# KiCad board main.kicad_pcb (continued)
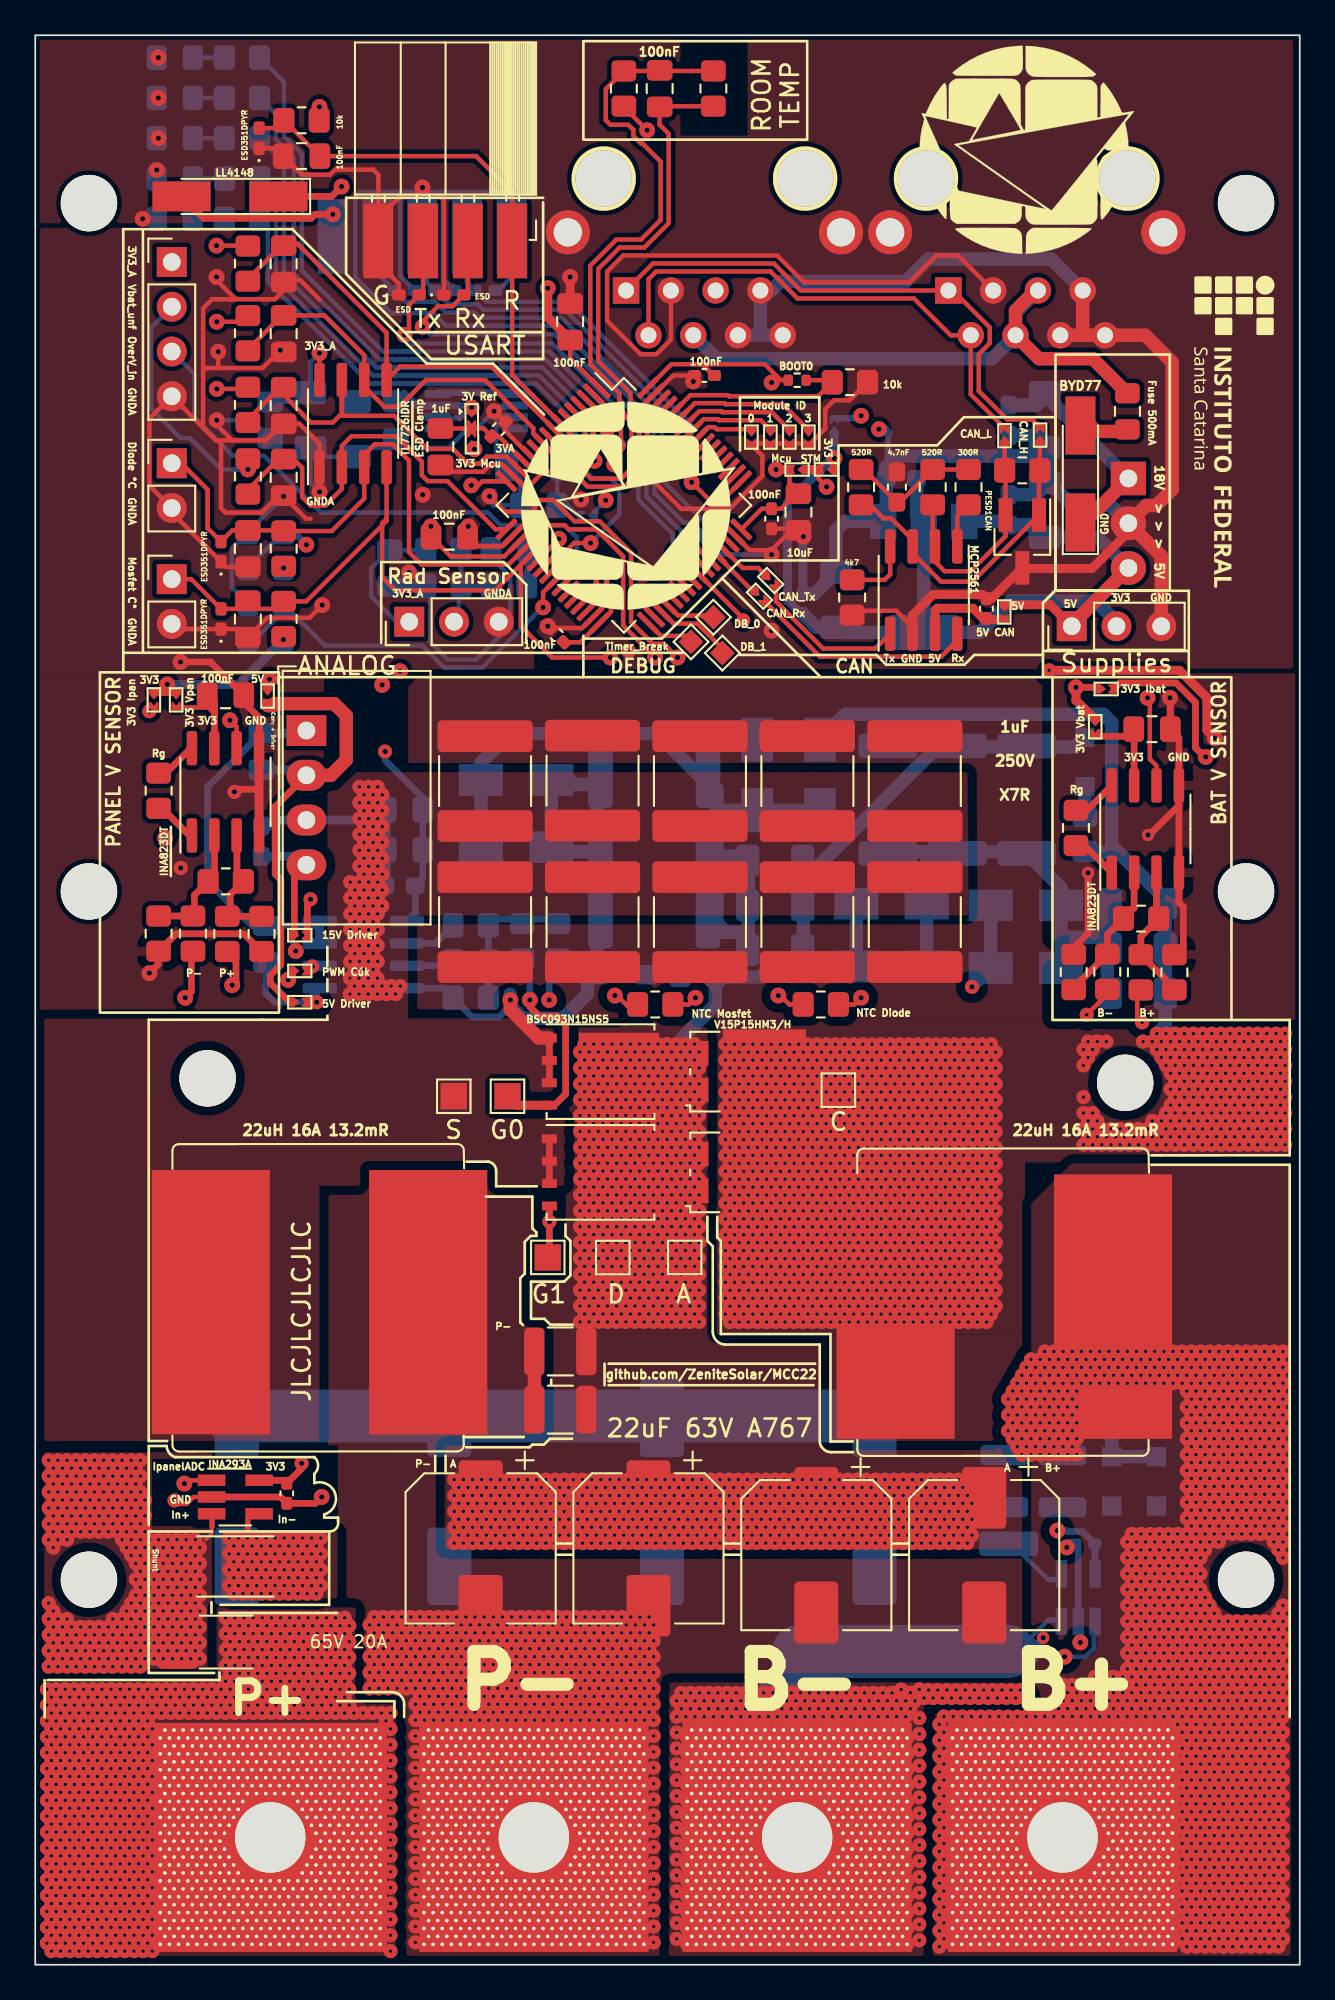
[diagram p0: board, top side]
## Routing (per net, layer and track width the routed paths; a pad name or vN(x,y) marks a point on that pad's centre or on a via; arc(x,y) is an arc through that point) (continued)
  vias: v2(39.16,52.22) v2(39.16,51.32) v2(39.16,50.42) v2(39.16,49.52) v2(39.16,48.62) v2(39.16,47.72) v2(39.16,46.82) v2(39.16,45.92) v2(39.16,45.02) v2(39.16,44.12) v2(39.16,43.22) v2(39.16,42.32) v2(39.16,41.42) v2(39.16,40.52) v2(39.16,39.62) v2(39.16,38.71) v2(39.16,37.81) v2(39.16,36.91) v2(39.42,51.77) v2(39.42,50.87) v2(39.42,49.97) v2(39.42,49.07) v2(39.42,48.17) v2(39.42,47.27) v2(39.42,46.37) v2(39.42,45.47) v2(39.42,44.57) v2(39.42,43.67) v2(39.42,42.77) v2(39.42,41.87) v2(39.42,40.97) v2(39.42,40.07) v2(39.42,39.16) v2(39.42,38.26) v2(39.42,37.36) v2(39.42,36.46) v2(39.68,52.22) v2(39.68,51.32) v2(39.68,50.42) v2(39.68,49.52) v2(39.68,48.62) v2(39.68,47.72) v2(39.68,46.82) v2(39.68,45.92) v2(39.68,45.02) v2(39.68,44.12) v2(39.68,43.22) v2(39.68,42.32) v2(39.68,41.42) v2(39.68,40.52) v2(39.68,39.62) v2(39.68,38.71) v2(39.68,37.81) v2(39.68,36.91) v2(39.94,51.77) v2(39.94,50.87) v2(39.94,49.97) v2(39.94,49.07) v2(39.94,48.17) v2(39.94,47.27) v2(39.94,46.37) v2(39.94,45.47) v2(39.94,44.57) v2(39.94,43.67) v2(39.94,42.77) v2(39.94,41.87) v2(39.94,40.97) v2(39.94,40.07) v2(39.94,39.16) v2(39.94,38.26) v2(39.94,37.36) v2(39.94,36.46) v2(40.2,52.22) v2(40.2,51.32) v2(40.2,50.42) v2(40.2,49.52) v2(40.2,48.62) v2(40.2,47.72) v2(40.2,46.82) v2(40.2,45.92) v2(40.2,45.02) v2(40.2,44.12) v2(40.2,43.22) v2(40.2,42.32) v2(40.2,41.42) v2(40.2,40.52) v2(40.2,39.62) v2(40.2,38.71) v2(40.2,37.81) v2(40.2,36.91) v2(40.46,51.77) v2(40.46,50.87) v2(40.46,49.97) v2(40.46,49.07) v2(40.46,48.17) v2(40.46,47.27) v2(40.46,46.37) v2(40.46,45.47) v2(40.46,44.57) v2(40.46,43.67) v2(40.46,42.77) v2(40.46,41.87) v2(40.46,40.97) v2(40.46,40.07) v2(40.46,39.16) v2(40.46,38.26) v2(40.46,37.36) v2(40.46,36.46) v2(40.72,52.22) v2(40.72,51.32) v2(40.72,50.42) v2(40.72,49.52) v2(40.72,48.62) v2(40.72,47.72) v2(40.72,46.82) v2(40.72,45.92) v2(40.72,45.02) v2(40.72,44.12) v2(40.72,43.22) v2(40.72,42.32) v2(40.72,41.42) v2(40.72,40.52) v2(40.72,39.62) v2(40.72,38.71) v2(40.72,37.81) v2(40.72,36.91) v2(40.98,51.77) v2(40.98,50.87) v2(40.98,49.97) v2(40.98,49.07) v2(40.98,48.17) v2(40.98,47.27) v2(40.98,46.37) v2(40.98,45.47) v2(40.98,44.57) v2(40.98,43.67) v2(40.98,42.77) v2(40.98,41.87) v2(40.98,40.97) v2(40.98,40.07) v2(40.98,39.16) v2(40.98,38.26) v2(40.98,37.36) v2(40.98,36.46) v2(41.24,52.22) v2(41.24,51.32) v2(41.24,50.42) v2(41.24,49.52) v2(41.24,48.62) v2(41.24,47.72) v2(41.24,46.82) v2(41.24,45.92) v2(41.24,45.02) v2(41.24,44.12) v2(41.24,43.22) v2(41.24,42.32) v2(41.24,41.42) v2(41.24,40.52) v2(41.24,39.62) v2(41.24,38.71) v2(41.24,37.81) v2(41.24,36.91) v2(41.5,51.77) v2(41.5,50.87) v2(41.5,49.97) v2(41.5,49.07) v2(41.5,48.17) v2(41.5,47.27) v2(41.5,46.37) v2(41.5,45.47) v2(41.5,44.57) v2(41.5,43.67) v2(41.5,42.77) v2(41.5,41.87) v2(41.5,40.97) v2(41.5,40.07) v2(41.5,39.16) v2(41.5,38.26) v2(41.5,37.36) v2(41.5,36.46) v2(41.76,52.22) v2(41.76,51.32) v2(41.76,50.42) v2(41.76,49.52) v2(41.76,48.62) v2(41.76,47.72) v2(41.76,46.82) v2(41.76,45.92) v2(41.76,45.02) v2(41.76,44.12) v2(41.76,43.22) v2(41.76,42.32) v2(41.76,41.42) v2(41.76,40.52) v2(41.76,39.62) v2(41.76,38.71) v2(41.76,37.81) v2(41.76,36.91) v2(42.02,51.77) v2(42.02,50.87) v2(42.02,49.97) v2(42.02,49.07) v2(42.02,48.17) v2(42.02,47.27) v2(42.02,46.37) v2(42.02,45.47) v2(42.02,44.57) v2(42.02,43.67) v2(42.02,42.77) v2(42.02,41.87) v2(42.02,40.97) v2(42.02,40.07) v2(42.02,39.16) v2(42.02,38.26) v2(42.02,37.36) v2(42.02,36.46) v2(42.28,52.22) v2(42.28,51.32) v2(42.28,50.42) v2(42.28,49.52) v2(42.28,48.62) v2(42.28,47.72) v2(42.28,46.82) v2(42.28,45.92) v2(42.28,45.02) v2(42.28,44.12) v2(42.28,43.22) v2(42.28,42.32) v2(42.28,41.42) v2(42.28,40.52) v2(42.28,39.62) v2(42.28,38.71) v2(42.28,37.81) v2(42.28,36.91) v2(42.54,51.77) v2(42.54,50.87) v2(42.54,49.97) v2(42.54,49.07) v2(42.54,48.17) v2(42.54,47.27) v2(42.54,46.37) v2(42.54,45.47) v2(42.54,44.57) v2(42.54,43.67) v2(42.54,42.77) v2(42.54,41.87) v2(42.54,40.97) v2(42.54,40.07) v2(42.54,39.16) v2(42.54,38.26) v2(42.54,37.36) v2(42.54,36.46) v2(42.8,52.22) v2(42.8,51.32) v2(42.8,50.42) v2(42.8,49.52) v2(42.8,48.62) v2(42.8,47.72) v2(42.8,46.82) v2(42.8,45.92) v2(42.8,45.02) v2(42.8,44.12) v2(42.8,43.22) v2(42.8,42.32) v2(42.8,41.42) v2(42.8,40.52) v2(42.8,39.62) v2(42.8,38.71) v2(42.8,37.81) v2(42.8,36.91) v2(43.06,51.77) v2(43.06,50.87) v2(43.06,49.97) v2(43.06,49.07) v2(43.06,48.17) v2(43.06,47.27) v2(43.06,46.37) v2(43.06,45.47) v2(43.06,44.57) v2(43.06,43.67) v2(43.06,42.77) v2(43.06,41.87) v2(43.06,40.97) v2(43.06,40.07) v2(43.06,39.16) v2(43.06,38.26) v2(43.06,37.36) v2(43.06,36.46) v2(43.32,52.22) v2(43.32,51.32) v2(43.32,50.42) v2(43.32,49.52) v2(43.32,48.62) v2(43.32,47.72) v2(43.32,46.82) v2(43.32,45.92) v2(43.32,45.02) v2(43.32,44.12) v2(43.32,43.22) v2(43.32,42.32) v2(43.32,41.42) v2(43.32,40.52) v2(43.32,39.62) v2(43.32,38.71) v2(43.32,37.81) v2(43.32,36.91) v2(43.58,51.77) v2(43.58,50.87) v2(43.58,49.97) v2(43.58,49.07) v2(43.58,48.17) v2(43.58,47.27) v2(43.58,46.37) v2(43.58,45.47) v2(43.58,44.57) v2(43.58,43.67) v2(43.58,42.77) v2(43.58,41.87) v2(43.58,40.97) v2(43.58,40.07) v2(43.58,39.16) v2(43.58,38.26) v2(43.58,37.36) v2(43.58,36.46) v2(43.84,52.22) v2(43.84,51.32) v2(43.84,50.42) v2(43.84,49.52) v2(43.84,48.62) v2(43.84,47.72) v2(43.84,46.82) v2(43.84,45.92) v2(43.84,45.02) v2(43.84,44.12) v2(43.84,43.22) v2(43.84,42.32) v2(43.84,41.42) v2(43.84,40.52) v2(43.84,39.62) v2(43.84,38.71) v2(43.84,37.81) v2(43.84,36.91) v2(44.1,51.77) v2(44.1,50.87) v2(44.1,49.97) v2(44.1,49.07) v2(44.1,48.17) v2(44.1,47.27) v2(44.1,46.37) v2(44.1,45.47) v2(44.1,44.57) v2(44.1,43.67) v2(44.1,42.77) v2(44.1,41.87) v2(44.1,40.97) v2(44.1,40.07) v2(44.1,39.16) v2(44.1,38.26) v2(44.1,37.36) v2(44.1,36.46) v2(44.36,52.22) v2(44.36,51.32) v2(44.36,50.42) v2(44.36,49.52) v2(44.36,48.62) v2(44.36,47.72) v2(44.36,46.82) v2(44.36,45.92) v2(44.36,45.02) v2(44.36,44.12) v2(44.36,43.22) v2(44.36,42.32) v2(44.36,41.42) v2(44.36,40.52) v2(44.36,39.62) v2(44.36,38.71) v2(44.36,37.81) v2(44.36,36.91) v2(44.62,51.77) v2(44.62,50.87) v2(44.62,49.97) v2(44.62,49.07) v2(44.62,48.17) v2(44.62,47.27) v2(44.62,46.37) v2(44.62,45.47) v2(44.62,44.57) v2(44.62,43.67) v2(44.62,42.77) v2(44.62,41.87) v2(44.62,40.97) v2(44.62,40.07) v2(44.62,39.16) v2(44.62,38.26) v2(44.62,37.36) v2(44.62,36.46) v2(44.88,52.22) v2(44.88,51.32) v2(44.88,50.42) v2(44.88,49.52) v2(44.88,48.62) v2(44.88,47.72) v2(44.88,46.82) v2(44.88,45.92) v2(44.88,45.02) v2(44.88,44.12) v2(44.88,43.22) v2(44.88,42.32) v2(44.88,41.42) v2(44.88,40.52) v2(44.88,39.62) v2(44.88,38.71) v2(44.88,37.81) v2(44.88,36.91) v2(45.14,51.77) v2(45.14,50.87) v2(45.14,49.97) v2(45.14,49.07) v2(45.14,48.17) v2(45.14,47.27) v2(45.14,46.37) v2(45.14,45.47) v2(45.14,44.57) v2(45.14,43.67) v2(45.14,42.77) v2(45.14,41.87) v2(45.14,40.97) v2(45.14,40.07) v2(45.14,39.16) v2(45.14,38.26) v2(45.14,37.36) v2(45.14,36.46) v2(45.4,52.22) v2(45.4,51.32) v2(45.4,50.42) v2(45.4,49.52) v2(45.4,48.62) v2(45.4,47.72) v2(45.4,46.82) v2(45.4,45.92) v2(45.4,45.02) v2(45.4,44.12) v2(45.4,43.22) v2(45.4,42.32) v2(45.4,41.42) v2(45.4,40.52) v2(45.4,39.62) v2(45.4,38.71) v2(45.4,37.81) v2(45.4,36.91) v2(45.66,51.77) v2(45.66,50.87) v2(45.66,49.97) v2(45.66,49.07) v2(45.66,48.17) v2(45.66,47.27) v2(45.66,46.37) v2(45.66,45.47) v2(45.66,44.57) v2(45.66,43.67) v2(45.66,42.77) v2(45.66,41.87) v2(45.66,40.97) v2(45.66,40.07) v2(45.66,39.16) v2(45.66,38.26) v2(45.66,37.36) v2(45.66,36.46) v2(45.92,52.22) v2(45.92,51.32) v2(45.92,50.42) v2(45.92,49.52) v2(45.92,48.62) v2(45.92,47.72) v2(45.92,46.82) v2(45.92,45.92) v2(45.92,45.02) v2(45.92,44.12) v2(45.92,43.22) v2(45.92,42.32) v2(45.92,41.42) v2(45.92,40.52) v2(45.92,39.62) v2(45.92,38.71) v2(45.92,37.81) v2(45.92,36.91) v2(46.18,51.77) v2(46.18,50.87) v2(46.18,49.97) v2(46.18,49.07) v2(46.18,48.17) v2(46.18,47.27) v2(46.18,46.37) v2(46.18,45.47) v2(46.18,44.57) v2(46.18,43.67) v2(46.18,42.77) v2(46.18,41.87) v2(46.18,40.97) v2(46.18,40.07) v2(46.18,39.16) v2(46.18,38.26) v2(46.18,37.36) v2(46.18,36.46) v2(46.44,52.22) v2(46.44,51.32) v2(46.44,50.42) v2(46.44,49.52) v2(46.44,48.62) v2(46.44,47.72) v2(46.44,46.82) v2(46.44,45.92) v2(46.44,45.02) v2(46.44,44.12) v2(46.44,43.22) v2(46.44,42.32) v2(46.44,41.42) v2(46.44,40.52) v2(46.44,39.62) v2(46.44,38.71) v2(46.44,37.81) v2(46.44,36.91) v2(46.7,51.77) v2(46.7,50.87) v2(46.7,49.97) v2(46.7,49.07) v2(46.7,48.17) v2(46.7,47.27) v2(46.7,46.37) v2(46.7,45.47) v2(46.7,44.57) v2(46.7,43.67) v2(46.7,42.77) v2(46.7,41.87) v2(46.7,40.97) v2(46.7,40.07) v2(46.7,39.16) v2(46.7,38.26) v2(46.7,37.36) v2(46.7,36.46) v2(46.96,52.22) v2(46.96,51.32) v2(46.96,50.42) v2(46.96,49.52) v2(46.96,48.62) v2(46.96,47.72) v2(46.96,46.82) v2(46.96,45.92) v2(46.96,45.02) v2(46.96,44.12) v2(46.96,43.22) v2(46.96,42.32) v2(46.96,41.42) v2(46.96,40.52) v2(46.96,39.62) v2(46.96,38.71) v2(46.96,37.81) v2(46.96,36.91) v2(47.22,51.77) v2(47.22,50.87) v2(47.22,49.97) v2(47.22,49.07) v2(47.22,48.17) v2(47.22,47.27) v2(47.22,46.37) v2(47.22,45.47) v2(47.22,44.57) v2(47.22,43.67) v2(47.22,42.77) v2(47.22,41.87) v2(47.22,40.97) v2(47.22,40.07) v2(47.22,39.16) v2(47.22,38.26) v2(47.22,37.36) v2(47.22,36.46) v2(47.48,52.22) v2(47.48,51.32) v2(47.48,50.42) v2(47.48,49.52) v2(47.48,48.62) v2(47.48,47.72) v2(47.48,46.82) v2(47.48,45.92) v2(47.48,45.02) v2(47.48,44.12) v2(47.48,43.22) v2(47.48,42.32) v2(47.48,41.42) v2(47.48,40.52) v2(47.48,39.62) v2(47.48,38.71) v2(47.48,37.81) v2(47.48,36.91) v2(47.74,51.77) v2(47.74,50.87) v2(47.74,49.97) v2(47.74,49.07) v2(47.74,48.17) v2(47.74,47.27) v2(47.74,46.37) v2(47.74,45.47) v2(47.74,44.57) v2(47.74,43.67) v2(47.74,42.77) v2(47.74,41.87) v2(47.74,40.97) v2(47.74,40.07) v2(47.74,39.16) v2(47.74,38.26) v2(47.74,37.36) v2(47.74,36.46) v2(48,52.22) v2(48,51.32) v2(48,50.42) v2(48,49.52) v2(48,48.62) v2(48,47.72) v2(48,46.82) v2(48,45.92) v2(48,45.02) v2(48,44.12) v2(48,43.22) v2(48,42.32) v2(48,41.42) v2(48,40.52) v2(48,39.62) v2(48,38.71) v2(48,37.81) v2(48,36.91) v2(48.26,51.77) v2(48.26,50.87) v2(48.26,49.97) v2(48.26,49.07) v2(48.26,48.17) v2(48.26,47.27) v2(48.26,46.37) v2(48.26,45.47) v2(48.26,44.57) v2(48.26,43.67) v2(48.26,42.77) v2(48.26,41.87) v2(48.26,40.97) v2(48.26,40.07) v2(48.26,39.16) v2(48.26,38.26) v2(48.26,37.36) v2(48.26,36.46) v2(48.52,52.22) v2(48.52,51.32) v2(48.52,50.42) v2(48.52,49.52) v2(48.52,48.62) v2(48.52,47.72) v2(48.52,46.82) v2(48.52,45.92) v2(48.52,45.02) v2(48.52,44.12) v2(48.52,43.22) v2(48.52,42.32) v2(48.52,41.42) v2(48.52,40.52) v2(48.52,39.62) v2(48.52,38.71) v2(48.52,37.81) v2(48.52,36.91) v2(48.78,51.77) v2(48.78,50.87) v2(48.78,49.97) v2(48.78,49.07) v2(48.78,48.17) v2(48.78,47.27) v2(48.78,46.37) v2(48.78,45.47) v2(48.78,44.57) v2(48.78,43.67) v2(48.78,42.77) v2(48.78,41.87) v2(48.78,40.97) v2(48.78,40.07) v2(48.78,39.16) v2(48.78,38.26) v2(48.78,37.36) v2(48.78,36.46) v2(49.04,52.22) v2(49.04,51.32) v2(49.04,50.42) v2(49.04,49.52) v2(49.04,48.62) v2(49.04,47.72) v2(49.04,46.82) v2(49.04,45.92) v2(49.04,45.02) v2(49.04,44.12) v2(49.04,43.22) v2(49.04,42.32) v2(49.04,41.42) v2(49.04,40.52) v2(49.04,39.62) v2(49.04,38.71) v2(49.04,37.81) v2(49.04,36.91) v2(49.3,51.77) v2(49.3,50.87) v2(49.3,49.97) v2(49.3,49.07) v2(49.3,48.17) v2(49.3,47.27) v2(49.3,46.37) v2(49.3,45.47) v2(49.3,44.57) v2(49.3,43.67) v2(49.3,42.77) v2(49.3,41.87) v2(49.3,40.97) v2(49.3,40.07) v2(49.3,39.16) v2(49.3,38.26) v2(49.3,37.36) v2(49.3,36.46) v2(49.56,52.22) v2(49.56,51.32) v2(49.56,50.42) v2(49.56,49.52) v2(49.56,48.62) v2(49.56,47.72) v2(49.56,46.82) v2(49.56,45.92) v2(49.56,45.02) v2(49.56,44.12) v2(49.56,43.22) v2(49.56,42.32) v2(49.56,41.42) v2(49.56,40.52) v2(49.56,39.62) v2(49.56,38.71) v2(49.56,37.81) v2(49.56,36.91) v2(49.82,51.77) v2(49.82,50.87) v2(49.82,49.97) v2(49.82,49.07) v2(49.82,48.17) v2(49.82,47.27) v2(49.82,46.37) v2(49.82,45.47) v2(49.82,44.57) v2(49.82,43.67) v2(49.82,42.77) v2(49.82,41.87) v2(49.82,40.97) v2(49.82,40.07) v2(49.82,39.16) v2(49.82,38.26) v2(49.82,37.36) v2(49.82,36.46) v2(50.08,52.22) v2(50.08,51.32) v2(50.08,50.42) v2(50.08,49.52) v2(50.08,48.62) v2(50.08,47.72) v2(50.08,46.82) v2(50.08,45.92) v2(50.08,45.02) v2(50.08,44.12) v2(50.08,43.22) v2(50.08,42.32) v2(50.08,41.42) v2(50.08,40.52) v2(50.08,39.62) v2(50.08,38.71) v2(50.08,37.81) v2(50.08,36.91) v2(50.34,51.77) v2(50.34,50.87) v2(50.34,49.97) v2(50.34,49.07) v2(50.34,48.17) v2(50.34,47.27) v2(50.34,46.37) v2(50.34,45.47) v2(50.34,44.57) v2(50.34,43.67) v2(50.34,42.77) v2(50.34,41.87) v2(50.34,40.97) v2(50.34,40.07) v2(50.34,39.16) v2(50.34,38.26) v2(50.34,37.36) v2(50.34,36.46) v2(50.6,52.22) v2(50.6,51.32) v2(50.6,50.42) v2(50.6,49.52) v2(50.6,48.62) v2(50.6,47.72) v2(50.6,46.82) v2(50.6,45.92) v2(50.6,45.02) v2(50.6,44.12) v2(50.6,43.22) v2(50.6,42.32) v2(50.6,41.42) v2(50.6,40.52) v2(50.6,39.62) v2(50.6,38.71) v2(50.6,37.81) v2(50.6,36.91) v2(50.86,51.77) v2(50.86,50.87) v2(50.86,49.97) v2(50.86,49.07) v2(50.86,48.17) v2(50.86,47.27) v2(50.86,46.37) v2(50.86,45.47) v2(50.86,44.57) v2(50.86,43.67) v2(50.86,42.77) v2(50.86,41.87) v2(50.86,40.97) v2(50.86,40.07) v2(50.86,39.16) v2(50.86,38.26) v2(50.86,37.36) v2(50.86,36.46) v2(51.12,52.22) v2(51.12,51.32) v2(51.12,50.42) v2(51.12,49.52) v2(51.12,48.62) v2(51.12,47.72) v2(51.12,46.82) v2(51.12,45.92) v2(51.12,45.02) v2(51.12,44.12) v2(51.12,43.22) v2(51.12,42.32) v2(51.12,41.42) v2(51.12,40.52) v2(51.12,39.62) v2(51.12,38.71) v2(51.12,37.81) v2(51.12,36.91) v2(51.38,51.77) v2(51.38,50.87) v2(51.38,49.97) v2(51.38,49.07) v2(51.38,48.17) v2(51.38,47.27) v2(51.38,46.37) v2(51.38,45.47) v2(51.38,44.57) v2(51.38,43.67) v2(51.38,42.77) v2(51.38,41.87) v2(51.38,40.97) v2(51.38,40.07) v2(51.38,39.16) v2(51.38,38.26) v2(51.38,37.36) v2(51.38,36.46) v2(51.64,52.22) v2(51.64,51.32) v2(51.64,50.42) v2(51.64,49.52) v2(51.64,48.62) v2(51.64,47.72) v2(51.64,46.82) v2(51.64,45.92) v2(51.64,45.02) v2(51.64,44.12) v2(51.64,43.22) v2(51.64,42.32) v2(51.64,41.42) v2(51.64,40.52) v2(51.64,39.62) v2(51.64,38.71) v2(51.64,37.81) v2(51.64,36.91) v2(51.9,51.77) v2(51.9,50.87) v2(51.9,49.97) v2(51.9,49.07) v2(51.9,48.17) v2(51.9,47.27) v2(51.9,46.37) v2(51.9,45.47) v2(51.9,44.57) v2(51.9,43.67) v2(51.9,42.77) v2(51.9,41.87) v2(51.9,40.97) v2(51.9,40.07) v2(51.9,39.16) v2(51.9,38.26) v2(51.9,37.36) v2(51.9,36.46) v2(52.16,52.22) v2(52.16,51.32) v2(52.16,50.42) v2(52.16,49.52) v2(52.16,48.62) v2(52.16,47.72) v2(52.16,46.82) v2(52.16,45.92) v2(52.16,45.02) v2(52.16,44.12) v2(52.16,43.22) v2(52.16,42.32) v2(52.16,41.42) v2(52.16,40.52) v2(52.16,39.62) v2(52.16,38.71) v2(52.16,37.81) v2(52.16,36.91) v2(52.42,51.77) v2(52.42,50.87) v2(52.42,49.97) v2(52.42,49.07) v2(52.42,48.17) v2(52.42,47.27) v2(52.42,46.37) v2(52.42,45.47) v2(52.42,44.57) v2(52.42,43.67) v2(52.42,42.77) v2(52.42,41.87) v2(52.42,40.97) v2(52.42,40.07) v2(52.42,39.16) v2(52.42,38.26) v2(52.42,37.36) v2(52.42,36.46) v2(52.68,52.22) v2(52.68,51.32) v2(52.68,50.42) v2(52.68,49.52) v2(52.68,48.62) v2(52.68,47.72) v2(52.68,46.82) v2(52.68,45.92) v2(52.68,45.02) v2(52.68,44.12) v2(52.68,43.22) v2(52.68,42.32) v2(52.68,41.42) v2(52.68,40.52) v2(52.68,39.62) v2(52.68,38.71) v2(52.68,37.81) v2(52.68,36.91) v2(52.94,51.77) v2(52.94,50.87) v2(52.94,49.97) v2(52.94,49.07) v2(52.94,48.17) v2(52.94,47.27) v2(52.94,46.37) v2(52.94,45.47) v2(52.94,44.57) v2(52.94,43.67) v2(52.94,42.77) v2(52.94,41.87) v2(52.94,40.97) v2(52.94,40.07) v2(52.94,39.16) v2(52.94,38.26) v2(52.94,37.36) v2(52.94,36.46) v2(53.2,52.22) v2(53.2,51.32) v2(53.2,50.42) v2(53.2,49.52) v2(53.2,48.62) v2(53.2,47.72) v2(53.2,46.82) v2(53.2,45.92) v2(53.2,45.02) v2(53.2,44.12) v2(53.2,43.22) v2(53.2,42.32) v2(53.2,41.42) v2(53.2,40.52) v2(53.2,39.62) v2(53.2,38.71) v2(53.2,37.81) v2(53.2,36.91) v2(53.46,51.77) v2(53.46,50.87) v2(53.46,49.97) v2(53.46,49.07) v2(53.46,48.17) v2(53.46,47.27) v2(53.46,46.37) v2(53.46,45.47) v2(53.46,44.57) v2(53.46,43.67) v2(53.46,42.77) v2(53.46,41.87) v2(53.46,40.97) v2(53.46,40.07) v2(53.46,39.16) v2(53.46,38.26) v2(53.46,37.36) v2(53.46,36.46) v2(53.72,52.22) v2(53.72,51.32) v2(53.72,50.42) v2(53.72,49.52) v2(53.72,48.62) v2(53.72,47.72) v2(53.72,46.82) v2(53.72,45.92) v2(53.72,45.02) v2(53.72,44.12) v2(53.72,43.22) v2(53.72,42.32) v2(53.72,41.42) v2(53.72,40.52) v2(53.72,39.62) v2(53.72,38.71) v2(53.72,37.81) v2(53.72,36.91) v2(53.98,51.77) v2(53.98,50.87) v2(53.98,49.97) v2(53.98,49.07) v2(53.98,48.17) v2(53.98,47.27) v2(53.98,46.37) v2(53.98,45.47) v2(53.98,44.57) v2(53.98,43.67) v2(53.98,42.77) v2(53.98,41.87) v2(53.98,40.97) v2(53.98,40.07) v2(53.98,39.16) v2(53.98,38.26) v2(53.98,37.36) v2(53.98,36.46) v2(54.24,52.22) v2(54.24,51.32) v2(54.24,50.42) v2(54.24,49.52) v2(54.24,48.62) v2(54.24,47.72) v2(54.24,46.82) v2(54.24,45.92) v2(54.24,45.02) v2(54.24,44.12) v2(54.24,43.22) v2(54.24,42.32) v2(54.24,41.42) v2(54.24,40.52) v2(54.24,39.62) v2(54.24,38.71) v2(54.24,37.81) v2(54.24,36.91) v2(54.5,51.77) v2(54.5,50.87) v2(54.5,49.97) v2(54.5,49.07) v2(54.5,48.17) v2(54.5,47.27) v2(54.5,46.37) v2(54.5,45.47) v2(54.5,44.57) v2(54.5,43.67) v2(54.5,42.77) v2(54.5,41.87) v2(54.5,40.97) v2(54.5,40.07) v2(54.5,39.16) v2(54.5,38.26) v2(54.5,37.36) v2(59.48,51.93) v2(59.48,51.03) v2(59.48,49.23) v2(59.48,48.33) v2(59.48,47.42) v2(59.48,46.52) v2(59.74,52.38) v2(59.74,51.48) v2(59.74,47.87) v2(59.74,46.97) v2(60,51.93) v2(60,48.33) v2(60,47.42) v2(60,46.52) v2(60.26,52.38) v2(60.26,47.87) v2(60.26,46.97) v2(60.52,47.42) v2(60.52,46.52) v2(60.78,52.38) v2(60.78,46.97) v2(61.04,47.42) v2(61.04,46.52) v2(61.3,46.97) v2(61.56,47.42) v2(61.56,46.52) v2(61.82,46.97) v2(62.08,47.42) v2(62.08,46.52) v2(62.34,46.97) v2(62.6,47.42) v2(62.6,46.52) v2(62.86,52.38) v2(62.86,46.97) v2(63.12,47.42) v2(63.12,46.52) v2(63.38,52.38) v2(63.38,47.87) v2(63.38,46.97) v2(63.64,51.93) v2(63.64,47.42) v2(63.64,46.52) v2(63.9,52.38) v2(63.9,51.48) v2(63.9,47.87) v2(63.9,46.97) v2(64.16,52.83) v2(64.16,51.93) v2(64.16,51.03) v2(64.16,48.33) v2(64.16,47.42) v2(64.16,46.52) v2(64.42,52.38) v2(64.42,51.48) v2(64.42,50.58) v2(64.42,49.68) v2(64.42,48.78) v2(64.42,47.87) v2(64.42,46.97) v2(64.68,52.83) v2(64.68,51.93) v2(64.68,51.03) v2(64.68,50.13) v2(64.68,49.23) v2(64.68,48.33) v2(64.68,47.42) v2(64.68,46.52) v2(64.94,52.38) v2(64.94,51.48) v2(64.94,50.58) v2(64.94,49.68) v2(64.94,48.78) v2(64.94,47.87) v2(64.94,46.97) v2(65.2,52.83) v2(65.2,51.93) v2(65.2,51.03) v2(65.2,50.13) v2(65.2,49.23) v2(65.2,48.33) v2(65.2,47.42) v2(65.2,46.52) v2(65.46,52.38) v2(65.46,51.48) v2(65.46,50.58) v2(65.46,49.68) v2(65.46,48.78) v2(65.46,47.87) v2(65.46,46.97) v2(65.72,52.83) v2(65.72,51.93) v2(65.72,51.03) v2(65.72,50.13) v2(65.72,49.23) v2(65.72,48.33) v2(65.72,47.42) v2(65.72,46.52) v2(65.98,52.38) v2(65.98,51.48) v2(65.98,50.58) v2(65.98,49.68) v2(65.98,48.78) v2(65.98,47.87) v2(65.98,46.97) v2(66.24,52.83) v2(66.24,51.93) v2(66.24,51.03) v2(66.24,50.13) v2(66.24,49.23) v2(66.24,48.33) v2(66.24,47.42) v2(66.24,46.52) v2(66.5,52.38) v2(66.5,51.48) v2(66.5,50.58) v2(66.5,49.68) v2(66.5,48.78) v2(66.5,47.87) v2(66.5,46.97) v2(66.76,52.83) v2(66.76,51.93) v2(66.76,51.03) v2(66.76,50.13) v2(66.76,49.23) v2(66.76,48.33) v2(66.76,47.42) v2(66.76,46.52) v2(67.02,52.38) v2(67.02,51.48) v2(67.02,50.58) v2(67.02,49.68) v2(67.02,48.78) v2(67.02,47.87) v2(67.02,46.97) v2(67.28,52.83) v2(67.28,51.93) v2(67.28,51.03) v2(67.28,50.13) v2(67.28,49.23) v2(67.28,48.33) v2(67.28,47.42) v2(67.28,46.52) v2(67.54,52.38) v2(67.54,51.48) v2(67.54,50.58) v2(67.54,49.68) v2(67.54,48.78) v2(67.54,47.87) v2(67.54,46.97) v2(67.8,52.83) v2(67.8,51.93) v2(67.8,51.03) v2(67.8,50.13) v2(67.8,49.23) v2(67.8,48.33) v2(67.8,47.42) v2(67.8,46.52) v2(68.06,52.38) v2(68.06,51.48) v2(68.06,50.58) v2(68.06,49.68) v2(68.06,48.78) v2(68.06,47.87) v2(68.06,46.97) v2(68.32,52.83) v2(68.32,51.93) v2(68.32,51.03) v2(68.32,50.13) v2(68.32,49.23) v2(68.32,48.33) v2(68.32,47.42) v2(68.32,46.52) v2(68.58,52.38) v2(68.58,51.48) v2(68.58,50.58) v2(68.58,49.68) v2(68.58,48.78) v2(68.58,47.87) v2(68.58,46.97) v2(68.84,52.83) v2(68.84,51.93) v2(68.84,51.03) v2(68.84,50.13) v2(68.84,49.23) v2(68.84,48.33) v2(68.84,47.42) v2(68.84,46.52) v2(69.1,52.38) v2(69.1,51.48) v2(69.1,50.58) v2(69.1,49.68) v2(69.1,48.78) v2(69.1,47.87) v2(69.1,46.97) v2(69.36,52.83) v2(69.36,51.93) v2(69.36,51.03) v2(69.36,50.13) v2(69.36,49.23) v2(69.36,48.33) v2(69.36,47.42) v2(69.36,46.52) v2(69.62,52.38) v2(69.62,51.48) v2(69.62,50.58) v2(69.62,49.68) v2(69.62,48.78) v2(69.62,47.87) v2(69.62,46.97) v2(69.88,52.83) v2(69.88,51.93) v2(69.88,51.03) v2(69.88,50.13) v2(69.88,49.23) v2(69.88,48.33) v2(69.88,47.42) v2(69.88,46.52) v2(70.14,52.38) v2(70.14,51.48) v2(70.14,50.58) v2(70.14,49.68) v2(70.14,48.78) v2(70.14,47.87) v2(70.14,46.97) v2(70.4,52.83) v2(70.4,51.93) v2(70.4,51.03) v2(70.4,50.13) v2(70.4,49.23) v2(70.4,48.33) v2(70.4,47.42) v2(70.4,46.52) v2(70.66,52.38) v2(70.66,51.48) v2(70.66,50.58) v2(70.66,49.68) v2(70.66,48.78) v2(70.66,47.87) v2(70.66,46.97) v2(70.92,52.83) v2(70.92,51.93) v2(70.92,51.03) v2(70.92,50.13) v2(70.92,49.23) v2(70.92,48.33) v2(70.92,47.42) v2(70.92,46.52)
